# KiCad board Leopold Replacement.kicad_pcb (continued)
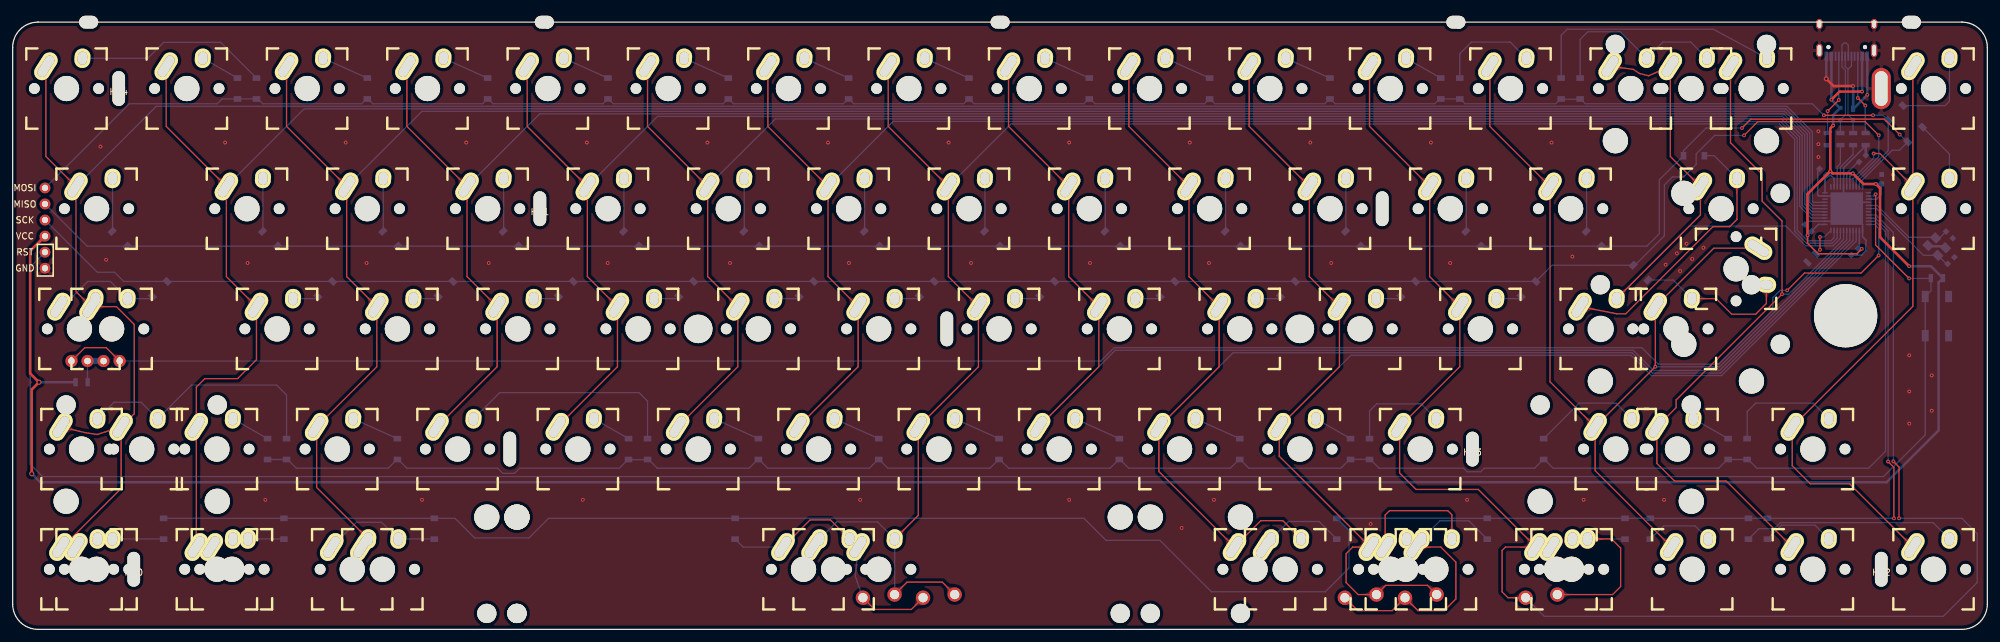
[diagram p0: board, top side]
## Copper pours and planes (outline as drawn; the poured copper is in the pictures) (continued)
Col10 on Top: 227.26,16.79 227.26,16.68 227.26,16.58 227.25,16.49 227.23,16.4 227.22,16.32 227.2,16.25 227.18,16.18 227.15,16.11 227.12,16.05 227.09,15.99 227.06,15.93 227.03,15.88 226.99,15.83 226.95,15.78 226.6,15.39 226.56,15.33 226.51,15.28 226.46,15.21 226.42,15.15 226.37,15.08 226.33,15 226.28,14.93 226.24,14.84 227.36,13.67 228.49,14.84 228.45,14.93 228.4,15 228.36,15.08 228.31,15.15 228.26,15.21 228.22,15.28 228.17,15.33 228.12,15.39 227.78,15.78 227.74,15.83 227.7,15.88 227.67,15.93 227.63,15.99 227.6,16.05 227.58,16.11 227.55,16.18 227.53,16.25 227.51,16.32 227.49,16.4 227.48,16.49 227.47,16.58 227.47,16.68 227.46,16.79
Col10 on Bottom: 201.79,33.87 201.72,33.79 201.64,33.73 201.57,33.67 201.5,33.62 201.43,33.57 201.36,33.53 201.3,33.5 201.23,33.47 201.17,33.44 201.11,33.42 201.05,33.41 200.98,33.39 200.92,33.38 200.86,33.38 200.34,33.35 200.27,33.34 200.19,33.33 200.12,33.32 200.04,33.31 199.96,33.29 199.87,33.27 199.78,33.25 199.69,33.22 199.66,31.59 201.28,31.63 201.31,31.72 201.34,31.8 201.36,31.89 201.38,31.97 201.39,32.05 201.4,32.12 201.41,32.2 201.41,32.27 201.44,32.79 201.45,32.85 201.46,32.92 201.47,32.98 201.49,33.04 201.51,33.1 201.54,33.17 201.56,33.23 201.6,33.3 201.64,33.36 201.68,33.43 201.74,33.5 201.79,33.57 201.86,33.65 201.93,33.73
Col11 on Top: 214.46,86.58 214.46,86.68 214.47,86.78 214.48,86.87 214.49,86.96 214.51,87.04 214.53,87.12 214.55,87.19 214.57,87.25 214.6,87.31 214.63,87.37 214.66,87.43 214.7,87.48 214.73,87.53 214.77,87.58 215.12,87.97 215.17,88.03 215.21,88.09 215.26,88.15 215.31,88.21 215.35,88.28 215.4,88.36 215.44,88.44 215.49,88.52 214.36,89.69 213.24,88.52 213.28,88.44 213.32,88.36 213.37,88.28 213.41,88.21 213.46,88.15 213.51,88.09 213.55,88.03 213.6,87.97 213.95,87.58 213.99,87.53 214.02,87.48 214.06,87.43 214.09,87.37 214.12,87.31 214.15,87.25 214.17,87.19 214.19,87.12 214.21,87.04 214.23,86.96 214.24,86.87 214.25,86.78 214.26,86.68 214.26,86.58
Col11 on Top: 222.03,71.75 222.11,71.67 222.17,71.59 222.23,71.52 222.28,71.45 222.33,71.38 222.37,71.32 222.4,71.25 222.43,71.19 222.46,71.12 222.48,71.06 222.49,71 222.51,70.94 222.52,70.87 222.52,70.81 222.55,70.29 222.56,70.22 222.57,70.14 222.58,70.07 222.59,69.99 222.61,69.91 222.63,69.82 222.65,69.74 222.68,69.65 224.31,69.61 224.28,71.24 224.18,71.27 224.1,71.29 224.01,71.31 223.93,71.33 223.85,71.34 223.78,71.35 223.7,71.36 223.63,71.37 223.11,71.4 223.05,71.4 222.98,71.41 222.92,71.43 222.86,71.44 222.8,71.46 222.73,71.49 222.67,71.52 222.6,71.55 222.54,71.59 222.47,71.64 222.4,71.69 222.33,71.75 222.25,71.81 222.18,71.89
Col11 on Top: 226.79,52.74 226.86,52.66 226.93,52.58 226.98,52.51 227.04,52.44 227.08,52.37 227.12,52.31 227.16,52.24 227.18,52.18 227.21,52.11 227.23,52.05 227.25,51.99 227.26,51.93 227.27,51.86 227.28,51.8 227.31,51.28 227.31,51.21 227.32,51.13 227.33,51.06 227.34,50.98 227.36,50.9 227.38,50.81 227.41,50.73 227.44,50.64 229.06,50.6 229.03,52.23 228.94,52.26 228.85,52.28 228.76,52.3 228.68,52.32 228.6,52.33 228.53,52.34 228.45,52.35 228.38,52.36 227.86,52.39 227.8,52.39 227.74,52.4 227.67,52.42 227.61,52.43 227.55,52.45 227.49,52.48 227.42,52.51 227.36,52.54 227.29,52.58 227.22,52.63 227.15,52.68 227.08,52.74 227,52.8 226.93,52.88
Col11 on Top: 220.8,33.87 220.73,33.79 220.65,33.73 220.58,33.67 220.51,33.62 220.44,33.57 220.37,33.53 220.31,33.5 220.24,33.47 220.18,33.44 220.12,33.42 220.06,33.41 219.99,33.39 219.93,33.38 219.87,33.38 219.35,33.35 219.28,33.34 219.2,33.33 219.13,33.32 219.05,33.31 218.97,33.29 218.88,33.27 218.79,33.25 218.7,33.22 218.67,31.59 220.29,31.63 220.32,31.72 220.35,31.8 220.37,31.89 220.39,31.97 220.4,32.05 220.41,32.12 220.42,32.2 220.42,32.27 220.45,32.79 220.46,32.85 220.47,32.92 220.48,32.98 220.5,33.04 220.52,33.1 220.55,33.17 220.57,33.23 220.61,33.3 220.65,33.36 220.69,33.43 220.75,33.5 220.8,33.57 220.87,33.65 220.94,33.73
Col11 on Top: 223.97,67.57 223.97,67.67 223.97,67.77 223.98,67.86 224,67.95 224.01,68.03 224.03,68.11 224.05,68.18 224.08,68.24 224.11,68.3 224.14,68.36 224.17,68.42 224.2,68.47 224.24,68.52 224.28,68.57 224.63,68.96 224.67,69.02 224.72,69.08 224.77,69.14 224.81,69.2 224.86,69.27 224.9,69.35 224.95,69.43 224.99,69.51 223.87,70.68 222.74,69.51 222.78,69.43 222.83,69.35 222.87,69.27 222.92,69.2 222.96,69.14 223.01,69.08 223.06,69.02 223.1,68.96 223.45,68.57 223.49,68.52 223.53,68.47 223.56,68.42 223.59,68.36 223.62,68.3 223.65,68.24 223.68,68.18 223.7,68.11 223.72,68.03 223.73,67.95 223.75,67.86 223.76,67.77 223.76,67.67 223.76,67.57
Col11 on Top: 228.72,48.56 228.72,48.66 228.73,48.76 228.73,48.85 228.75,48.94 228.76,49.02 228.78,49.1 228.81,49.17 228.83,49.23 228.86,49.29 228.89,49.35 228.92,49.41 228.96,49.46 228.99,49.51 229.03,49.56 229.38,49.95 229.43,50.01 229.47,50.07 229.52,50.13 229.56,50.19 229.61,50.26 229.66,50.34 229.7,50.42 229.74,50.5 228.62,51.67 227.49,50.5 227.54,50.42 227.58,50.34 227.62,50.26 227.67,50.19 227.72,50.13 227.76,50.07 227.81,50.01 227.86,49.95 228.2,49.56 228.24,49.51 228.28,49.46 228.31,49.41 228.35,49.35 228.38,49.29 228.4,49.23 228.43,49.17 228.45,49.1 228.47,49.02 228.49,48.94 228.5,48.85 228.51,48.76 228.52,48.66 228.52,48.56
Col11 on Top: 238.82,14.72 238.89,14.64 238.96,14.56 239.02,14.49 239.07,14.42 239.11,14.35 239.15,14.29 239.19,14.22 239.22,14.16 239.24,14.09 239.26,14.03 239.28,13.97 239.29,13.91 239.3,13.84 239.31,13.78 239.34,13.26 239.34,13.19 239.35,13.11 239.36,13.04 239.38,12.96 239.39,12.88 239.41,12.79 239.44,12.71 239.47,12.62 241.09,12.58 241.06,14.21 240.97,14.24 240.88,14.26 240.8,14.28 240.72,14.3 240.64,14.31 240.56,14.32 240.49,14.33 240.41,14.34 239.89,14.37 239.83,14.37 239.77,14.38 239.71,14.4 239.64,14.41 239.58,14.43 239.52,14.46 239.45,14.49 239.39,14.52 239.32,14.56 239.25,14.61 239.18,14.66 239.11,14.72 239.04,14.78 238.96,14.86
Col11 on Top: 219.21,29.55 219.21,29.65 219.22,29.75 219.23,29.84 219.24,29.93 219.26,30.01 219.28,30.09 219.3,30.16 219.33,30.22 219.35,30.28 219.38,30.34 219.42,30.4 219.45,30.45 219.49,30.5 219.53,30.55 219.87,30.94 219.92,31 219.97,31.06 220.01,31.12 220.06,31.18 220.11,31.25 220.15,31.33 220.19,31.41 220.24,31.49 219.11,32.66 217.99,31.49 218.03,31.41 218.07,31.33 218.12,31.25 218.17,31.18 218.21,31.12 218.26,31.06 218.3,31 218.35,30.94 218.7,30.55 218.74,30.5 218.77,30.45 218.81,30.4 218.84,30.34 218.87,30.28 218.9,30.22 218.92,30.16 218.95,30.09 218.97,30.01 218.98,29.93 219,29.84 219,29.75 219.01,29.65 219.01,29.55
Col11 on Top: 236.78,4.91 236.88,4.9 236.97,4.9 237.05,4.89 237.13,4.88 237.2,4.86 237.27,4.85 237.33,4.83 237.39,4.81 237.45,4.78 237.5,4.75 237.55,4.73 237.6,4.69 237.65,4.66 238.09,4.28 238.15,4.24 238.2,4.19 238.26,4.15 238.32,4.11 238.39,4.07 238.46,4.03 238.54,3.99 239.59,5.01 238.54,6.02 238.46,5.98 238.39,5.94 238.32,5.9 238.26,5.86 238.2,5.82 238.15,5.78 238.09,5.73 237.65,5.35 237.6,5.32 237.55,5.29 237.5,5.26 237.45,5.23 237.39,5.21 237.33,5.18 237.27,5.16 237.2,5.15 237.13,5.13 237.05,5.12 236.97,5.11 236.88,5.11 236.78,5.11
Col11 on Top: 238.16,12.93 238.27,12.92 238.36,12.92 238.46,12.91 238.54,12.9 238.62,12.88 238.7,12.86 238.77,12.84 238.84,12.81 238.9,12.78 238.96,12.75 239.01,12.72 239.06,12.69 239.12,12.65 239.16,12.61 239.56,12.26 239.61,12.22 239.67,12.17 239.73,12.12 239.8,12.08 239.87,12.03 239.94,11.99 240.02,11.94 240.1,11.9 241.27,13.03 240.1,14.15 240.02,14.11 239.94,14.06 239.87,14.02 239.8,13.97 239.73,13.93 239.67,13.88 239.61,13.83 239.56,13.79 239.16,13.44 239.12,13.4 239.06,13.36 239.01,13.33 238.96,13.3 238.9,13.27 238.84,13.24 238.77,13.21 238.7,13.19 238.62,13.17 238.54,13.16 238.46,13.14 238.36,13.13 238.27,13.13 238.16,13.13
Col11 on Bottom: 240.69,3.49 240.62,3.56 240.56,3.62 240.51,3.69 240.46,3.75 240.42,3.81 240.38,3.87 240.35,3.93 240.33,3.99 240.3,4.05 240.28,4.1 240.27,4.16 240.26,4.21 240.25,4.27 240.2,4.86 240.2,4.93 240.19,4.99 240.17,5.07 240.16,5.14 240.14,5.21 240.12,5.29 240.09,5.37 238.63,5.4 238.66,3.94 238.74,3.92 238.82,3.89 238.89,3.87 238.97,3.86 239.04,3.85 239.11,3.84 239.17,3.83 239.76,3.79 239.82,3.78 239.87,3.76 239.93,3.75 239.99,3.73 240.04,3.71 240.1,3.68 240.16,3.65 240.22,3.61 240.28,3.57 240.34,3.53 240.41,3.47 240.48,3.41 240.54,3.35
Col12 on Top: 241.04,71.75 241.12,71.67 241.18,71.59 241.24,71.52 241.29,71.45 241.34,71.38 241.38,71.32 241.41,71.25 241.44,71.19 241.47,71.12 241.49,71.06 241.5,71 241.52,70.94 241.53,70.87 241.53,70.81 241.56,70.29 241.57,70.22 241.58,70.14 241.59,70.07 241.6,69.99 241.62,69.91 241.64,69.82 241.66,69.74 241.69,69.65 243.32,69.61 243.29,71.24 243.19,71.27 243.11,71.29 243.02,71.31 242.94,71.33 242.86,71.34 242.79,71.35 242.71,71.36 242.64,71.37 242.12,71.4 242.06,71.4 241.99,71.41 241.93,71.43 241.87,71.44 241.81,71.46 241.74,71.49 241.68,71.52 241.61,71.55 241.55,71.59 241.48,71.64 241.41,71.69 241.34,71.75 241.26,71.81 241.19,71.89
Col12 on Top: 259.61,48.56 259.61,48.66 259.62,48.76 259.63,48.85 259.64,48.94 259.66,49.02 259.67,49.1 259.7,49.17 259.72,49.23 259.75,49.29 259.78,49.35 259.81,49.41 259.85,49.46 259.88,49.51 259.92,49.56 260.27,49.95 260.32,50.01 260.36,50.07 260.41,50.13 260.46,50.19 260.5,50.26 260.55,50.34 260.59,50.42 260.63,50.5 259.51,51.67 258.38,50.5 258.43,50.42 258.47,50.34 258.52,50.26 258.56,50.19 258.61,50.13 258.65,50.07 258.7,50.01 258.75,49.95 259.1,49.56 259.13,49.51 259.17,49.46 259.21,49.41 259.24,49.35 259.27,49.29 259.3,49.23 259.32,49.17 259.34,49.1 259.36,49.02 259.38,48.94 259.39,48.85 259.4,48.76 259.41,48.66 259.41,48.56
Col12 on Top: 233.47,86.58 233.47,86.68 233.48,86.78 233.49,86.87 233.5,86.96 233.52,87.04 233.54,87.12 233.56,87.19 233.58,87.25 233.61,87.31 233.64,87.37 233.67,87.43 233.71,87.48 233.74,87.53 233.78,87.58 234.13,87.97 234.18,88.03 234.22,88.09 234.27,88.15 234.32,88.21 234.36,88.28 234.41,88.36 234.45,88.44 234.5,88.52 233.37,89.69 232.25,88.52 232.29,88.44 232.33,88.36 232.38,88.28 232.42,88.21 232.47,88.15 232.52,88.09 232.56,88.03 232.61,87.97 232.96,87.58 233,87.53 233.03,87.48 233.07,87.43 233.1,87.37 233.13,87.31 233.16,87.25 233.18,87.19 233.2,87.12 233.22,87.04 233.24,86.96 233.25,86.87 233.26,86.78 233.27,86.68 233.27,86.58
Col12 on Top: 261.2,52.88 261.12,52.8 261.05,52.74 260.98,52.68 260.91,52.63 260.84,52.58 260.77,52.54 260.71,52.51 260.64,52.48 260.58,52.45 260.51,52.43 260.45,52.42 260.39,52.4 260.33,52.39 260.27,52.39 259.74,52.36 259.67,52.35 259.6,52.34 259.52,52.33 259.44,52.32 259.36,52.3 259.28,52.28 259.19,52.26 259.1,52.23 259.07,50.6 260.69,50.64 260.72,50.73 260.74,50.81 260.77,50.9 260.78,50.98 260.8,51.06 260.81,51.13 260.81,51.21 260.82,51.28 260.85,51.8 260.86,51.86 260.87,51.93 260.88,51.99 260.9,52.05 260.92,52.11 260.94,52.18 260.97,52.24 261.01,52.31 261.04,52.37 261.09,52.44 261.14,52.51 261.2,52.58 261.27,52.66 261.34,52.74
Col12 on Top: 273.3,60.19 273.41,60.18 273.5,60.18 273.6,60.17 273.68,60.16 273.76,60.14 273.84,60.12 273.91,60.1 273.98,60.07 274.04,60.04 274.1,60.01 274.15,59.98 274.2,59.95 274.26,59.91 274.3,59.87 274.7,59.52 274.75,59.48 274.81,59.43 274.87,59.38 274.94,59.34 275.01,59.29 275.08,59.25 275.16,59.2 275.24,59.16 276.41,60.29 275.24,61.41 275.16,61.37 275.08,61.32 275.01,61.28 274.94,61.23 274.87,61.19 274.81,61.14 274.75,61.09 274.7,61.05 274.3,60.7 274.26,60.66 274.2,60.62 274.15,60.59 274.1,60.56 274.04,60.53 273.98,60.5 273.91,60.47 273.84,60.45 273.76,60.43 273.68,60.42 273.6,60.4 273.5,60.39 273.41,60.39 273.3,60.39
Col12 on Top: 260.25,14.72 260.33,14.64 260.39,14.56 260.45,14.49 260.5,14.42 260.55,14.35 260.59,14.29 260.62,14.22 260.65,14.16 260.68,14.09 260.7,14.03 260.71,13.97 260.73,13.91 260.74,13.84 260.74,13.78 260.77,13.26 260.78,13.19 260.79,13.11 260.8,13.04 260.81,12.96 260.83,12.88 260.85,12.79 260.87,12.71 260.9,12.62 262.53,12.58 262.5,14.21 262.4,14.24 262.32,14.26 262.23,14.28 262.15,14.3 262.07,14.31 262,14.32 261.92,14.33 261.85,14.34 261.33,14.37 261.27,14.37 261.2,14.38 261.14,14.4 261.08,14.41 261.02,14.43 260.95,14.46 260.89,14.49 260.82,14.52 260.76,14.56 260.69,14.61 260.62,14.66 260.55,14.72 260.47,14.78 260.4,14.86
Col12 on Top: 250.1,29.55 250.11,29.65 250.11,29.75 250.12,29.84 250.13,29.93 250.15,30.01 250.17,30.09 250.19,30.16 250.22,30.22 250.24,30.28 250.27,30.34 250.31,30.4 250.34,30.45 250.38,30.5 250.42,30.55 250.77,30.94 250.81,31 250.86,31.06 250.9,31.12 250.95,31.18 251,31.25 251.04,31.33 251.09,31.41 251.13,31.49 250,32.66 248.88,31.49 248.92,31.41 248.97,31.33 249.01,31.25 249.06,31.18 249.1,31.12 249.15,31.06 249.2,31 249.24,30.94 249.59,30.55 249.63,30.5 249.67,30.45 249.7,30.4 249.73,30.34 249.76,30.28 249.79,30.22 249.82,30.16 249.84,30.09 249.86,30.01 249.87,29.93 249.89,29.84 249.9,29.75 249.9,29.65 249.9,29.55
Col12 on Top: 248.17,33.73 248.25,33.65 248.31,33.57 248.37,33.5 248.42,33.43 248.47,33.36 248.51,33.3 248.54,33.23 248.57,33.17 248.6,33.1 248.62,33.04 248.63,32.98 248.64,32.92 248.66,32.85 248.66,32.79 248.69,32.27 248.7,32.2 248.71,32.12 248.72,32.05 248.73,31.97 248.75,31.89 248.77,31.8 248.79,31.72 248.82,31.63 250.45,31.59 250.41,33.22 250.32,33.25 250.24,33.27 250.15,33.29 250.07,33.31 249.99,33.32 249.92,33.33 249.84,33.34 249.77,33.35 249.25,33.38 249.18,33.38 249.12,33.39 249.06,33.41 249,33.42 248.94,33.44 248.87,33.47 248.81,33.5 248.74,33.53 248.68,33.57 248.61,33.62 248.54,33.67 248.46,33.73 248.39,33.79 248.31,33.87
Col12 on Top: 242.97,67.57 242.98,67.67 242.98,67.77 242.99,67.86 243.01,67.95 243.02,68.03 243.04,68.11 243.06,68.18 243.09,68.24 243.12,68.3 243.15,68.36 243.18,68.42 243.21,68.47 243.25,68.52 243.29,68.57 243.64,68.96 243.68,69.02 243.73,69.08 243.78,69.14 243.82,69.2 243.87,69.27 243.91,69.35 243.96,69.43 244,69.51 242.88,70.68 241.75,69.51 241.79,69.43 241.84,69.35 241.88,69.27 241.93,69.2 241.97,69.14 242.02,69.08 242.07,69.02 242.11,68.96 242.46,68.57 242.5,68.52 242.54,68.47 242.57,68.42 242.6,68.36 242.63,68.3 242.66,68.24 242.69,68.18 242.71,68.11 242.73,68.03 242.74,67.95 242.76,67.86 242.77,67.77 242.77,67.67 242.78,67.57
Col12 on Top: 251.69,33.87 251.62,33.79 251.54,33.73 251.47,33.67 251.4,33.62 251.33,33.57 251.27,33.53 251.2,33.5 251.14,33.47 251.07,33.44 251.01,33.42 250.95,33.41 250.89,33.39 250.82,33.38 250.76,33.38 250.24,33.35 250.17,33.34 250.09,33.33 250.02,33.32 249.94,33.31 249.86,33.29 249.77,33.27 249.68,33.25 249.59,33.22 249.56,31.59 251.18,31.63 251.21,31.72 251.24,31.8 251.26,31.89 251.28,31.97 251.29,32.05 251.3,32.12 251.31,32.2 251.32,32.27 251.35,32.79 251.35,32.85 251.36,32.92 251.38,32.98 251.39,33.04 251.41,33.1 251.44,33.17 251.47,33.23 251.5,33.3 251.54,33.36 251.59,33.43 251.64,33.5 251.7,33.57 251.76,33.65 251.84,33.73
Col13 on Top: 261.99,86.58 261.99,86.68 261.99,86.78 262,86.87 262.02,86.96 262.03,87.04 262.05,87.12 262.07,87.19 262.1,87.25 262.13,87.31 262.16,87.37 262.19,87.43 262.22,87.48 262.26,87.53 262.3,87.58 262.65,87.97 262.69,88.03 262.74,88.09 262.79,88.15 262.83,88.21 262.88,88.28 262.92,88.36 262.97,88.44 263.01,88.52 261.88,89.69 260.76,88.52 260.8,88.44 260.85,88.36 260.89,88.28 260.94,88.21 260.98,88.15 261.03,88.09 261.08,88.03 261.12,87.97 261.47,87.58 261.51,87.53 261.55,87.48 261.58,87.43 261.61,87.37 261.64,87.31 261.67,87.25 261.7,87.19 261.72,87.12 261.74,87.04 261.75,86.96 261.77,86.87 261.78,86.78 261.78,86.68 261.79,86.58
Col13 on Top: 255.09,54.15 255.02,54.07 254.94,54.01 254.87,53.95 254.8,53.9 254.73,53.85 254.66,53.81 254.6,53.78 254.53,53.75 254.47,53.72 254.41,53.7 254.35,53.69 254.28,53.67 254.22,53.66 254.16,53.66 253.64,53.63 253.56,53.62 253.49,53.61 253.41,53.6 253.34,53.59 253.25,53.57 253.17,53.55 253.08,53.53 252.99,53.5 252.96,51.87 254.58,51.91 254.61,52 254.64,52.08 254.66,52.17 254.68,52.25 254.69,52.33 254.7,52.4 254.71,52.48 254.71,52.55 254.74,53.07 254.75,53.13 254.76,53.2 254.77,53.26 254.79,53.32 254.81,53.38 254.84,53.45 254.86,53.51 254.9,53.58 254.94,53.64 254.98,53.71 255.03,53.78 255.09,53.85 255.16,53.93 255.23,54.01
Col13 on Top: 266.74,67.57 266.74,67.67 266.74,67.77 266.75,67.86 266.77,67.95 266.78,68.03 266.8,68.11 266.82,68.18 266.85,68.24 266.88,68.3 266.91,68.36 266.94,68.42 266.97,68.47 267.01,68.52 267.05,68.57 267.4,68.96 267.44,69.02 267.49,69.08 267.54,69.14 267.58,69.2 267.63,69.27 267.67,69.35 267.72,69.43 267.76,69.51 266.64,70.68 265.51,69.51 265.56,69.43 265.6,69.35 265.64,69.27 265.69,69.2 265.74,69.14 265.78,69.08 265.83,69.02 265.88,68.96 266.22,68.57 266.26,68.52 266.3,68.47 266.33,68.42 266.37,68.36 266.4,68.3 266.42,68.24 266.45,68.18 266.47,68.11 266.49,68.03 266.51,67.95 266.52,67.86 266.53,67.77 266.54,67.67 266.54,67.57
Col13 on Top: 254.86,88.84 254.76,88.85 254.66,88.87 254.57,88.89 254.48,88.92 254.41,88.94 254.34,88.97 254.27,89 254.21,89.04 254.15,89.07 254.09,89.11 254.04,89.15 254,89.19 253.95,89.23 253.91,89.28 253.56,89.68 253.52,89.73 253.46,89.78 253.41,89.84 253.35,89.89 253.29,89.95 253.22,90 253.15,90.05 253.07,90.11 251.76,89.15 252.77,87.88 252.86,87.91 252.95,87.94 253.03,87.98 253.1,88.01 253.17,88.05 253.24,88.09 253.3,88.13 253.36,88.17 253.8,88.46 253.85,88.49 253.91,88.52 253.96,88.55 254.02,88.57 254.08,88.6 254.15,88.62 254.22,88.63 254.29,88.64 254.37,88.65 254.45,88.66 254.54,88.66 254.63,88.66 254.73,88.65 254.84,88.64
Col13 on Top: 264.81,71.75 264.88,71.67 264.95,71.59 265,71.52 265.06,71.45 265.1,71.38 265.14,71.32 265.17,71.25 265.2,71.19 265.23,71.12 265.25,71.06 265.26,71 265.28,70.94 265.29,70.87 265.3,70.81 265.33,70.29 265.33,70.22 265.34,70.14 265.35,70.07 265.36,69.99 265.38,69.91 265.4,69.82 265.43,69.74 265.46,69.65 267.08,69.61 267.05,71.24 266.96,71.27 266.87,71.29 266.78,71.31 266.7,71.33 266.62,71.34 266.55,71.35 266.47,71.36 266.4,71.37 265.88,71.4 265.82,71.4 265.76,71.41 265.69,71.43 265.63,71.44 265.57,71.46 265.51,71.49 265.44,71.52 265.38,71.55 265.31,71.59 265.24,71.64 265.17,71.69 265.1,71.75 265.02,71.81 264.95,71.89
Col13 on Top: 259.64,87.98 259.74,88.02 259.83,88.05 259.92,88.08 260.01,88.1 260.09,88.12 260.16,88.13 260.24,88.14 260.31,88.14 260.38,88.14 260.44,88.14 260.51,88.13 260.57,88.12 260.63,88.11 260.69,88.09 261.19,87.93 261.26,87.91 261.33,87.89 261.4,87.87 261.48,87.86 261.56,87.84 261.65,87.83 261.74,87.82 261.84,87.82 262.46,89.32 260.94,89.88 260.87,89.8 260.82,89.73 260.77,89.66 260.72,89.59 260.68,89.52 260.64,89.46 260.61,89.39 260.58,89.33 260.36,88.85 260.33,88.79 260.3,88.74 260.26,88.69 260.22,88.64 260.18,88.59 260.14,88.53 260.09,88.49 260.03,88.44 259.97,88.39 259.9,88.34 259.83,88.3 259.75,88.25 259.66,88.21 259.56,88.16
Col13 on Bottom: 255.09,54.15 255.02,54.07 254.94,54.01 254.87,53.95 254.8,53.9 254.73,53.85 254.66,53.81 254.6,53.78 254.53,53.75 254.47,53.72 254.41,53.7 254.35,53.69 254.28,53.67 254.22,53.66 254.16,53.66 253.64,53.63 253.56,53.62 253.49,53.61 253.41,53.6 253.34,53.59 253.25,53.57 253.17,53.55 253.08,53.53 252.99,53.5 252.96,51.87 254.58,51.91 254.61,52 254.64,52.08 254.66,52.17 254.68,52.25 254.69,52.33 254.7,52.4 254.71,52.48 254.71,52.55 254.74,53.07 254.75,53.13 254.76,53.2 254.77,53.26 254.79,53.32 254.81,53.38 254.84,53.45 254.86,53.51 254.9,53.58 254.94,53.64 254.98,53.71 255.03,53.78 255.09,53.85 255.16,53.93 255.23,54.01
Col14 on Top: 271.49,86.58 271.49,86.68 271.5,86.78 271.51,86.87 271.52,86.96 271.54,87.04 271.56,87.12 271.58,87.19 271.6,87.25 271.63,87.31 271.66,87.37 271.69,87.43 271.73,87.48 271.76,87.53 271.8,87.58 272.15,87.97 272.2,88.03 272.24,88.09 272.29,88.15 272.34,88.21 272.38,88.28 272.43,88.36 272.47,88.44 272.51,88.52 271.39,89.69 270.26,88.52 270.31,88.44 270.35,88.36 270.4,88.28 270.44,88.21 270.49,88.15 270.54,88.09 270.58,88.03 270.63,87.97 270.98,87.58 271.02,87.53 271.05,87.48 271.09,87.43 271.12,87.37 271.15,87.31 271.18,87.25 271.2,87.19 271.22,87.12 271.24,87.04 271.26,86.96 271.27,86.87 271.28,86.78 271.29,86.68 271.29,86.58
Col14 on Top: 261.45,33.87 261.37,33.79 261.3,33.73 261.23,33.67 261.16,33.62 261.09,33.57 261.02,33.53 260.96,33.5 260.89,33.47 260.83,33.44 260.76,33.42 260.7,33.41 260.64,33.39 260.58,33.38 260.52,33.38 259.99,33.35 259.92,33.34 259.85,33.33 259.77,33.32 259.69,33.31 259.61,33.29 259.53,33.27 259.44,33.25 259.35,33.22 259.32,31.59 260.94,31.63 260.97,31.72 260.99,31.8 261.01,31.89 261.03,31.97 261.05,32.05 261.06,32.12 261.06,32.2 261.07,32.27 261.1,32.79 261.11,32.85 261.12,32.92 261.13,32.98 261.15,33.04 261.17,33.1 261.19,33.17 261.22,33.23 261.25,33.3 261.29,33.36 261.34,33.43 261.39,33.5 261.45,33.57 261.52,33.65 261.59,33.73
Col14 on Top: 259.86,29.55 259.86,29.65 259.87,29.75 259.88,29.84 259.89,29.93 259.91,30.01 259.92,30.09 259.95,30.16 259.97,30.22 260,30.28 260.03,30.34 260.06,30.4 260.1,30.45 260.13,30.5 260.17,30.55 260.52,30.94 260.57,31 260.61,31.06 260.66,31.12 260.71,31.18 260.75,31.25 260.8,31.33 260.84,31.41 260.88,31.49 259.76,32.66 258.63,31.49 258.68,31.41 258.72,31.33 258.77,31.25 258.81,31.18 258.86,31.12 258.9,31.06 258.95,31 259,30.94 259.35,30.55 259.38,30.5 259.42,30.45 259.46,30.4 259.49,30.34 259.52,30.28 259.55,30.22 259.57,30.16 259.59,30.09 259.61,30.01 259.63,29.93 259.64,29.84 259.65,29.75 259.66,29.65 259.66,29.55
Col14 on Top: 279.31,14.72 279.39,14.64 279.45,14.56 279.51,14.49 279.56,14.42 279.61,14.35 279.65,14.29 279.68,14.22 279.71,14.16 279.74,14.09 279.76,14.03 279.77,13.97 279.79,13.91 279.8,13.84 279.8,13.78 279.83,13.26 279.84,13.19 279.85,13.11 279.86,13.04 279.87,12.96 279.89,12.88 279.91,12.79 279.93,12.71 279.96,12.62 281.59,12.58 281.56,14.21 281.46,14.24 281.38,14.26 281.29,14.28 281.21,14.3 281.13,14.31 281.06,14.32 280.98,14.33 280.91,14.34 280.39,14.37 280.33,14.37 280.26,14.38 280.2,14.4 280.14,14.41 280.08,14.43 280.01,14.46 279.95,14.49 279.88,14.52 279.82,14.56 279.75,14.61 279.68,14.66 279.61,14.72 279.53,14.78 279.46,14.86
Col15 on Top: 282.83,33.87 282.76,33.79 282.68,33.73 282.61,33.67 282.54,33.62 282.47,33.57 282.41,33.53 282.34,33.5 282.28,33.47 282.21,33.44 282.15,33.42 282.09,33.41 282.03,33.39 281.96,33.38 281.9,33.38 281.38,33.35 281.31,33.34 281.23,33.33 281.16,33.32 281.08,33.31 281,33.29 280.91,33.27 280.83,33.25 280.73,33.22 280.7,31.59 282.33,31.63 282.36,31.72 282.38,31.8 282.4,31.89 282.42,31.97 282.43,32.05 282.44,32.12 282.45,32.2 282.46,32.27 282.49,32.79 282.49,32.85 282.5,32.92 282.52,32.98 282.53,33.04 282.55,33.1 282.58,33.17 282.61,33.23 282.64,33.3 282.68,33.36 282.73,33.43 282.78,33.5 282.84,33.57 282.9,33.65 282.98,33.73
Col15 on Top: 300.31,67.57 300.31,67.67 300.31,67.77 300.32,67.86 300.34,67.95 300.35,68.03 300.37,68.11 300.39,68.18 300.42,68.24 300.45,68.3 300.48,68.36 300.51,68.42 300.54,68.47 300.58,68.52 300.62,68.57 300.97,68.96 301.01,69.02 301.06,69.08 301.11,69.14 301.15,69.2 301.2,69.27 301.24,69.35 301.29,69.43 301.33,69.51 300.2,70.68 299.08,69.51 299.12,69.43 299.17,69.35 299.21,69.27 299.26,69.2 299.3,69.14 299.35,69.08 299.4,69.02 299.44,68.96 299.79,68.57 299.83,68.52 299.87,68.47 299.9,68.42 299.93,68.36 299.96,68.3 299.99,68.24 300.02,68.18 300.04,68.11 300.06,68.03 300.07,67.95 300.09,67.86 300.1,67.77 300.1,67.67 300.11,67.57
Col15 on Top: 300.11,72.55 300.1,72.44 300.1,72.34 300.09,72.25 300.07,72.16 300.06,72.08 300.04,72.01 300.02,71.94 299.99,71.87 299.96,71.81 299.93,71.75 299.9,71.69 299.87,71.64 299.83,71.59 299.79,71.54 299.44,71.15 299.4,71.09 299.35,71.04 299.3,70.97 299.26,70.91 299.21,70.84 299.17,70.76 299.12,70.69 299.08,70.6 300.2,69.43 301.33,70.6 301.29,70.69 301.24,70.76 301.2,70.84 301.15,70.91 301.11,70.97 301.06,71.04 301.01,71.09 300.97,71.15 300.62,71.54 300.58,71.59 300.54,71.64 300.51,71.69 300.48,71.75 300.45,71.81 300.42,71.87 300.39,71.94 300.37,72.01 300.35,72.08 300.34,72.16 300.32,72.25 300.31,72.34 300.31,72.44 300.31,72.55
Col15 on Top: 300.31,86.58 300.31,86.68 300.31,86.78 300.32,86.87 300.34,86.96 300.35,87.04 300.37,87.12 300.39,87.19 300.42,87.25 300.45,87.31 300.48,87.37 300.51,87.43 300.54,87.48 300.58,87.53 300.62,87.58 300.97,87.97 301.01,88.03 301.06,88.09 301.11,88.15 301.15,88.21 301.2,88.28 301.24,88.36 301.29,88.44 301.33,88.52 300.2,89.69 299.08,88.52 299.12,88.44 299.17,88.36 299.21,88.28 299.26,88.21 299.3,88.15 299.35,88.09 299.4,88.03 299.44,87.97 299.79,87.58 299.83,87.53 299.87,87.48 299.9,87.43 299.93,87.37 299.96,87.31 299.99,87.25 300.02,87.19 300.04,87.12 300.06,87.04 300.07,86.96 300.09,86.87 300.1,86.78 300.1,86.68 300.11,86.58
Col15 on Top: 281.25,29.55 281.25,29.65 281.25,29.75 281.26,29.84 281.28,29.93 281.29,30.01 281.31,30.09 281.33,30.16 281.36,30.22 281.39,30.28 281.42,30.34 281.45,30.4 281.48,30.45 281.52,30.5 281.56,30.55 281.91,30.94 281.95,31 282,31.06 282.05,31.12 282.09,31.18 282.14,31.25 282.18,31.33 282.23,31.41 282.27,31.49 281.14,32.66 280.02,31.49 280.06,31.41 280.11,31.33 280.15,31.25 280.2,31.18 280.24,31.12 280.29,31.06 280.34,31 280.38,30.94 280.73,30.55 280.77,30.5 280.81,30.45 280.84,30.4 280.87,30.34 280.9,30.28 280.93,30.22 280.96,30.16 280.98,30.09 281,30.01 281.01,29.93 281.03,29.84 281.04,29.75 281.04,29.65 281.05,29.55